# Allegro board RK3588S_Tablet_Demo_LP4XD200P232SD10H2_V11_20220218.brd (continued)
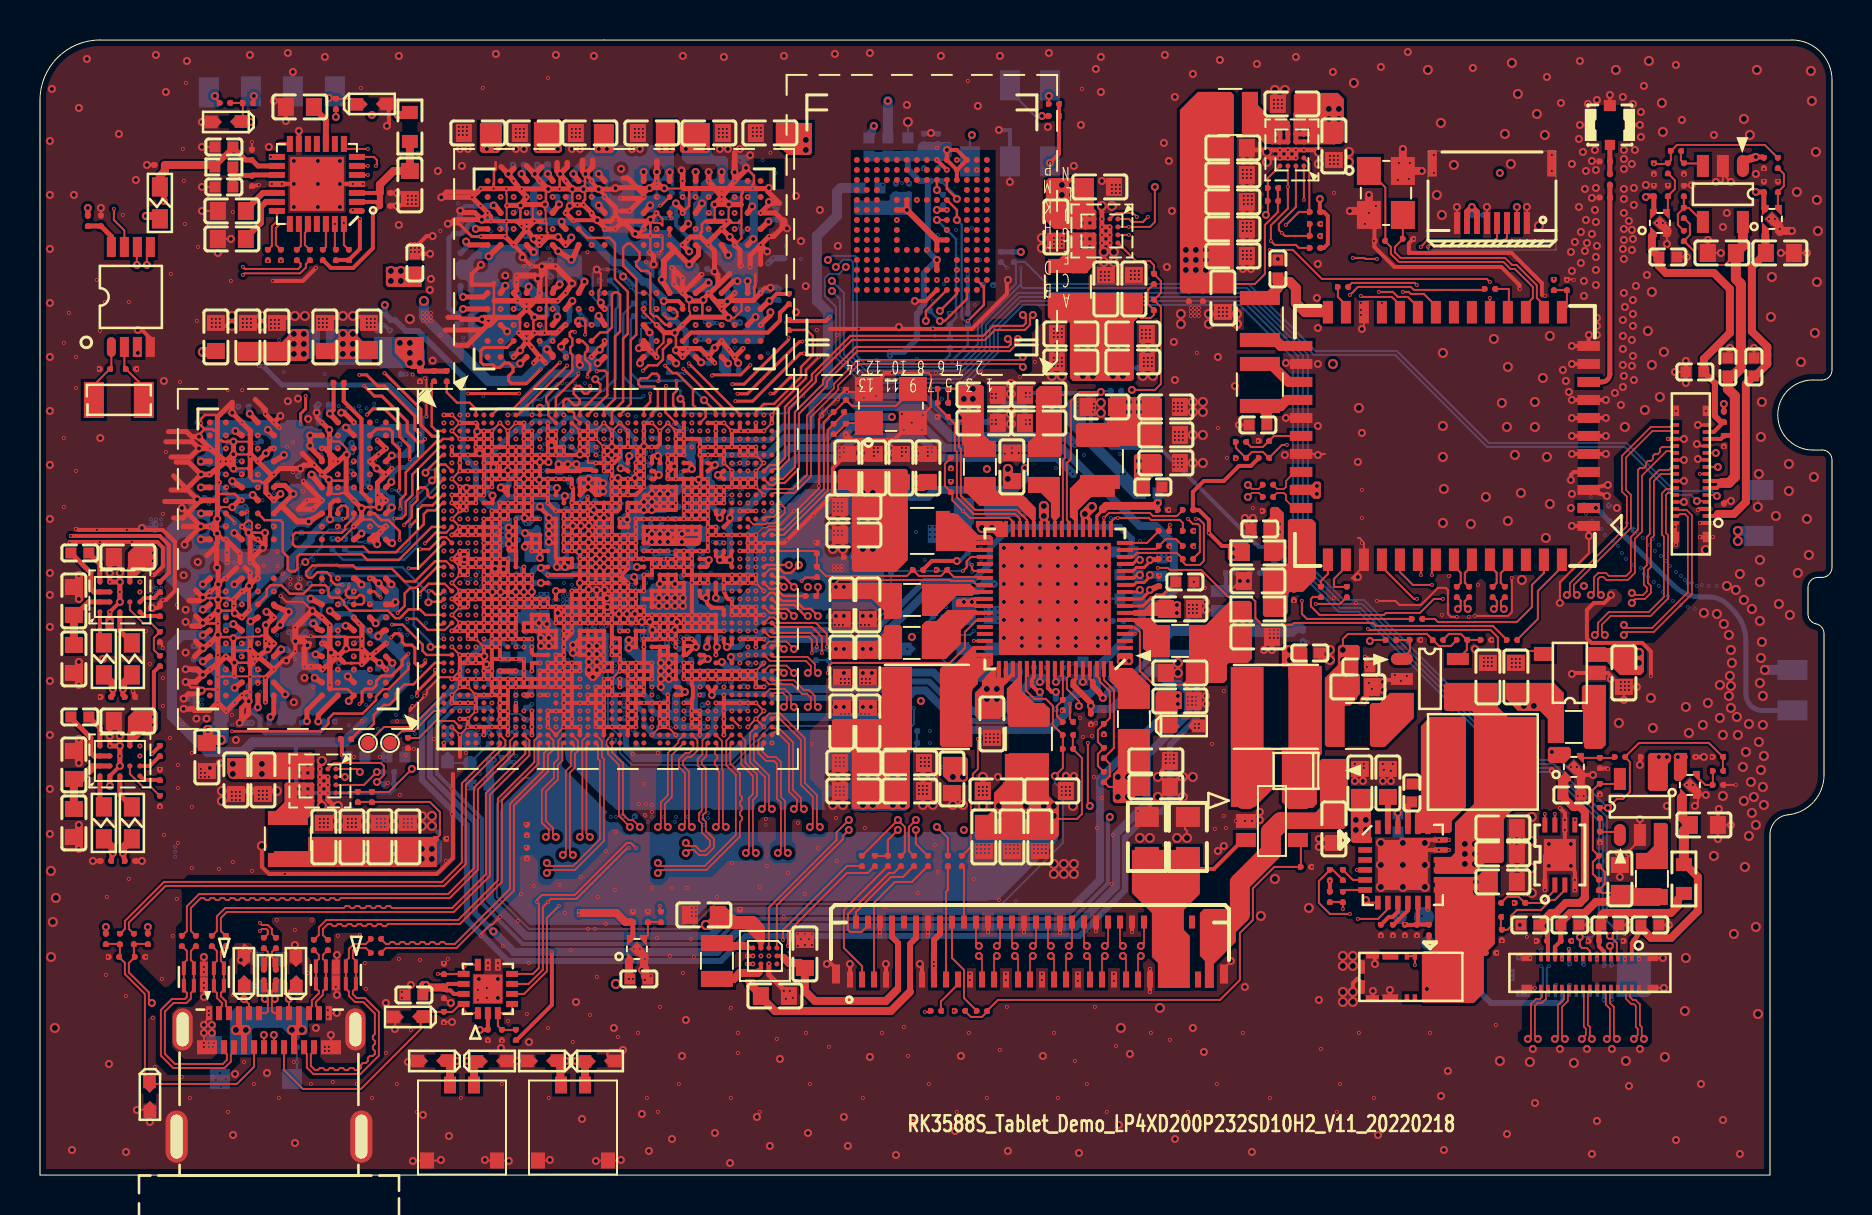
[diagram p0: board, top side]
## Routing (per net, layer and track width the routed paths; a pad name or vN(x,y) marks a point on that pad's centre or on a via; arc(x,y) is an arc through that point) (continued)
  S08 w0.3: v5(40.19,23.4) v5(39.79,23.4) ; v5(41.54,23.4) v5(41.14,23.4)
  S08 w0.4: v5(1.94,24.5) v5(1.94,21.8) v5(1.94,20.6) ; v5(2.64,15.7) 2.94,15.7 3.14,15.5 7.14,11.5 v5(12.74,11.5) 13.78,11.5 14.68,10.6 14.73,10.6 17.13,8.2 17.39,8.2 17.89,7.7 17.91,7.7 18.14,7.47 18.14,7.45 20.39,5.2 21.64,5.2 22.04,5.6 22.04,6.15 21,7.2 21,7.82 20.77,8.05 20.15,8.05 19.19,9 19.09,9 18.59,9.5 v5(18.54,9.5)
  GND09 w0.1: v9(31.34,30) 31.34,29.2 ; 31.34,29.2 30.64,29.2 30.59,29.15 30.29,29.15 v3(30.29,29.6) ; 31.34,29.2 31.99,29.2 32.24,29.45 32.24,29.75 ; 31.79,30.75 31.87,30.83 31.87,31.28 31.74,31.4 31.74,32.55 ; 31.79,30.75 v1(31.79,30.8) ; 31.79,30.75 v3(31.64,30.75) ; v3(27.68,33.59) 27.68,33.96 27.79,34.07 27.79,35.17 v8(28.01,35.39)
  GND09 w0.102: 29.03,35.8 29.1,35.8 29.38,35.52 29.49,35.52 ; v9(30.68,43.25) 30.68,43.25 30.07,43.25 30.07,43.25 v8(29.66,43.25) ; v8(27,35.14) 26.97,35.12 26.66,35.12 ; v9(25.09,42.36) 25.11,42.36 25.7,41.77 25.7,41.27 26.12,40.85 v8(26.36,40.85) ; 30.81,49.74 30.68,49.87 ; v5(26.57,46.88) 26.57,46.35 25.03,44.82 v5(24.89,44.82) ; 14.95,31.67 v8(14.95,31.26) ; 23.84,32.5 23.84,32.2 ; 14.95,32.27 v9(14.95,32.28)
  GND09 w0.15: 23.84,32.52 v3(23.84,31.75) 23.84,30.85
  GND09 w0.152: v5(20.39,47.56) 20.81,47.56 20.93,47.44 21.12,47.44 22.06,46.5 22.6,46.5 ; 10.63,22.41 10.63,21.99
  GND09 w0.2: v8(27.14,27.1) 27.14,26.72 27.04,26.62 27.04,25.2 v8(25.89,24.05) ; v9(51.59,24.95) v9(51.59,25.55) ; v5(76.59,36.95) 76.54,37 76.39,37 ; v3(23.69,30.85) 23.84,30.85 v3(23.84,30.4) ; v9(73.59,10.1) v9(73.59,9.85) ; v9(74.29,10.9) v9(73.94,10.9)
  BOTTOM w0.1: v3(23.84,30.4) 24.12,30.33 24.12,30.25 ; D2600.1 v9(8.99,5.1) ; D2600.1 9.04,4.75 v9(9.04,4.4) ; D2600.1 v9(9.29,4.8) ; D2600.1 8.84,4.8 v9(8.79,4.75) ; v5(44.84,48.25) 45.04,48.4 45.14,48.4 45.14,48.48 ; v9(26.39,25.75) 26.42,25.62 v9(26.39,25.5) 26.37,25.52 ; v1(18.39,17.6) 18.39,17.45 v4(19.09,17.45) ; 22.17,31.9 22.17,32.5 22.14,32.5 v3(22.14,32.25) ; v4(85.89,33.4) 85.92,33.43 85.92,35.03 v4(85.94,35.05) ; 32.37,23.68 v9(32.37,23.65) ; C2319.2 16.99,17.45 v4(17.69,17.45) ; v9(10.94,10.6) 10.94,10.69 10.89,10.74 v9(10.89,10.9) ; v3(53.54,25.05) v3(53.54,24.8) ; v4(53.04,38.1) 53.24,37.85 53.24,37.45 C1090.2 ; v3(26.22,34.78) 26.34,34.65 C1224.2 v3(26.49,34.9) ; C1090.2 53.84,37.7 v9(53.89,37.7) ; C1090.2 v9(53.74,37.3) ; C1090.2 53.44,37.6 v9(53.39,37.6) ; 79.69,32.25 79.69,32.25 v3(79.74,32.25) ; v5(53.29,28.65) 53.47,28.83 53.64,28.83 53.67,28.8 C2263.2 ; 35.64,38.08 37.31,38.08 v3(37.92,38.69) ; v3(33.49,35.85) 33.17,35.72 33.17,35.65 C1906.2 33.09,35.65 33.09,35.75 v3(32.99,35.9) ; 32.37,23.08 v9(32.39,23.05) ; v4(43.39,52.65) C4004.2 ; 59.82,30.1 59.89,30.1 59.89,30 v5(59.99,29.7) ; U2304.2 59.09,28.25 v5(58.29,28.25) 58.29,28.1 58.04,28.1 57.82,27.88 57.79,27.88 ; 44.89,52.08 C4001.2 44.89,52 44.29,52 v5(44.54,52.1) 44.52,52.08 44.19,52.08 ; 60.47,30.1 60.39,30.1 v5(60.39,29.7) ; v9(11.89,10.6) 12.03,10.74 12.09,10.74 12.09,10.8 v9(12.14,10.85) ; C2259.2 56.09,30.87 56.11,30.87 56.18,30.79 v9(56.19,30.8) ; v5(24.96,34.76) 24.96,34.35 24.97,34.35 ; v3(32.24,33.4) 31.92,33.4 ; v9(25.14,35.2) 25.37,35.2 ; 33.17,36.25 33.17,36.33 v3(33.39,36.4) ; 27.49,36.4 v3(27.89,36.4) ; v5(26.99,36.03) 27.24,36 27.34,36 27.34,35.93 v3(27.32,35.97) ; v3(32.24,40.09) 31.89,40.09 31.85,40.13 31.44,40.13 ; v5(48.49,49.65) J7010.1 ; v9(43.84,40.8) 43.69,40.65 41.94,40.65 v9(41.84,40.75) ; 31.57,49.1 31.57,49.17 v5(31.21,49.33)
  BOTTOM w0.102: 15.06,28.59 15.42,28.95 C3839.2 ; 15.06,28.59 C3842.2 15.03,28.59 ; 15.06,28.59 15.31,28.59 ; v3(30.17,38.95) 30.07,38.85 26.26,38.85 v3(25.85,38.44) v3(25.6,38.19) 25.41,38 24.77,38 24.63,38.14 24.63,38.6 24.79,38.77 v3(25.02,38.77) 25.84,39.58 v3(26.11,39.58) ; v5(30.2,36.43) 30.2,37.58 30.98,38.36 32.08,38.36 32.36,38.08 35.64,38.08 ; v5(28.04,43.63) 27.91,43.63 27.63,43.9 27.63,45.07 v5(27.84,45.28) v3(28.27,45.28) 28.8,45.28 v3(28.85,45.23) v5(29.16,44.92) 29.16,44.77 v3(29.54,44.39) v3(29.81,44.11) v3(30.17,44.11) 30.32,44.11 30.68,43.75 v9(30.68,43.25) v9(30.68,42.74) 30.55,42.61 30.38,42.61 30.05,42.28 v9(30.05,41.67) ; C3839.2 15.75,28.85 15.75,28.69 15.64,28.59 15.31,28.59 ; C3839.2 15.64,28.92 15.31,28.59 ; 26.99,43.17 27,43.14 ; 27,43.14 C3887.2 ; 27,43.14 27.36,42.78 C3871.2 ; 27,43.14 v3(27,42.88) ; v3(17.96,32.9) 18.12,33.06 18.12,33.82 v3(18.16,33.86) 17.77,34.25 v3(17.6,34.25) ; C3871.2 27.25,42.45 v3(27,42.45) v3(27,42.88) ; C3871.2 27.32,42.56 v3(27,42.88) ; v3(16.53,31.65) v3(16.27,31.65) 15.92,31.65 15.59,31.98 15.59,32.15 v9(15.46,32.28) v9(14.95,32.28) 14.44,32.28 14.09,31.92 v3(14.09,31.77) v3(14.09,31.41) v3(13.81,31.13) 13.43,30.75 13.37,30.75 13.27,30.65 v5(13.27,30.65) 13.17,30.65 v3(12.97,30.45) 12.92,30.4 v3(12.92,29.86) v5(12.92,29.43) 13.12,29.23 14.29,29.23 14.57,29.5 v9(14.57,29.63)
  BOTTOM w0.2: v9(16.84,42.25) 16.85,42.25 16.86,42.24 16.86,42.54 v9(16.84,42.55) ; v3(23.74,22.45) 23.77,22.43 23.77,22.15 v3(23.74,22.15) 23.59,22.15 ; C3834.2 17.09,33.7 17.02,33.43 v5(16.96,33.39) ; v3(29.08,33.57) 28.82,33.48 28.64,33.48 C1223.2 ; v3(22.54,23) 22.42,22.75 R1400.2 22.44,22.7 v3(22.49,22.45) ; 7.54,33.58 7.54,33.6 7.59,33.6 7.88,33.66 v5(7.86,33.79) ; v9(17.49,42.25) 17.49,42.24 17.47,42.24 17.21,42.5 v9(17.14,42.5) ; v5(47.94,52.25) 48.49,52.25 J7010.1 ; v5(13.02,35.32) 12.94,34.96 12.89,34.96 ; 26.32,32.65 26.32,32.62 v5(26.64,32.45) ; J7014.18 77.17,10.53 v9(77.19,10.5) ; 26.32,33.25 26.32,33.21 v3(26.62,33.15) ; v9(78.19,10.45) 78.22,10.48 J7014.15 78.22,11.13 v9(77.99,11.35) ; v5(12.64,55.15) J7004.1 ; v3(23.19,25.75) 23.19,25.85 C1714.2 v3(23.09,26.05) ; 23.69,27.18 23.74,27.18 v3(23.74,27.4) ; 28.97,31 28.94,31 v3(28.94,30.7) 28.94,30.4 28.97,30.4 ; v5(34.36,43.68) 34.36,44.16 34.37,44.16 ; 24.29,27.18 v3(24.29,27.15) ; 24.29,27.18 24.29,27.2 24.32,27.2 24.29,27.18 ; v5(33.73,45.18) 33.37,45.26 33.37,45.3 ; J7014.5 76.47,9.48 v9(76.49,9.5) ; 14.3,25.64 C3818.2 14.27,25.59 v3(14.25,25.39) ; 23.09,27.18 23.09,27.15 v3(22.84,27.15) ; 26.52,36.43 26.54,36.43 v5(26.99,36.03) ; J7014.3 75.77,9.48 v9(75.79,9.5) ; v9(25.09,42.36) 25.09,42.09 25.05,42.09 ; 23.89,32.88 23.89,32.85 23.94,32.85 v5(24.23,32.85) 24.23,33.15 24.18,33.2 24.17,33.2 24.12,33.25 24.12,33.5 v3(24.09,33.25) ; J7014.9 77.87,9.48 v9(77.89,9.45) ; v5(32.46,46.18) 32.37,46.27 32.37,46.93 31.8,47.49 31.8,47.94 ; v3(26.49,31.7) 26.51,31.68 26.51,31.67 26.32,31.48 26.32,31.45 26.34,31.45 v9(26.34,31.15) 26.34,30.85 26.32,30.85 ; 18.04,40.03 18.32,40.03 v9(18.29,40.05) ; C1215.2 27.09,33.9 v9(26.99,33.65) ; C1215.2 27.09,34 v9(26.99,34.2) ; C1215.2 27.12,33.95 ; 35.08,47.16 35.05,47.16 35.05,47.21 v3(35,47.46) ; 36.83,48.3 36.8,48.3 36.52,48.59 v5(36.44,48.65) ; v3(22.44,22.1) 22.44,22.13 22.42,22.15 ; 22.42,24.55 22.44,24.55 22.44,25.1 v3(22.39,24.9) 22.42,24.9 22.42,25.15 ; v3(33.25,42.66) 33.53,42.63 33.58,42.63 33.58,42.6 v9(33.84,42.6) ; v9(78.59,10.5) 78.57,10.48 J7014.14 ; J7014.22 75.77,11.23 v9(75.79,11.25) ; v9(76.49,10.55) 76.47,10.53 J7014.20 76.47,11.23 76.44,11.25 v9(76.44,11.3) ; 21.77,48.45 21.24,48.45 v5(21.01,48.22) ; v3(32.19,25.2) 32.49,25.2 32.49,25.18 ; v9(30.54,32.85) C1015.2 30.52,32.5 ; v5(26.49,48.45) 26.43,48.86 26.43,48.91 26.41,48.91 ; 34.95,40.22 C3862.2 34.92,40.27 v5(34.91,40.6) ; v4(68.14,16.6) 68.03,17.15 C2511.2 ; v5(8.14,27.6) 7.79,27.7 7.74,27.7 7.74,27.73 ; 8.46,35.01 8.46,35.03 v5(8.05,35.03) ; 30.89,36.83 30.89,36.85 30.84,36.85 v3(30.51,36.88) ; v3(10.74,36.59) 10.99,36.65 11.04,36.65 11.04,36.67 ; v5(53.29,27.75) 53.62,27.75 53.62,27.7 ; v5(33.84,26.4) 33.84,26.65 v9(34.04,26.85) 34.02,26.85 ; v5(24.01,41.23) 23.64,41.08 23.59,41.08 23.59,41.06 ; J7014.10 78.22,8.73 v9(78.19,8.75) ; J7014.11 78.57,8.78 v9(78.59,8.75) ; v3(32.04,35.15) 32.04,34.93 ; v3(23.54,28.55) 23.77,28.55 23.77,28.6 23.74,28.6 v9(23.74,28.35) ; 26.32,32.05 26.32,32.09 v3(26.59,32.09) ; 14.74,22.67 v9(14.74,22.65)
  BOTTOM w0.203: v5(16.84,35.33) 16.84,35.3 17.19,34.95 17.19,34.81 ; v3(10.36,33.04) 10.36,33.32 v3(10.25,33.42) 10.22,33.39 v5(9.62,33.39) 9.85,33.17 v3(9.98,33.17) 10.23,33.17 v3(10.36,33.04) ; v3(10.36,33.04) v3(10.36,32.53) 10.43,32.46 v5(10.43,32.12) ; C1223.2 28.75,33.46 28.76,33.46 v3(28.78,33.45) ; v3(32.09,37.3) 31.83,37.55 v9(31.7,37.55) ; v3(32.09,37.3) v3(32.33,37.3) ; v3(32.09,37.3) 32.08,37.29 v3(32.08,37.04) 31.95,37.04 v9(31.7,37.3) ; v5(29.94,41.34) 30.05,41.45 v9(30.05,41.67) ; v3(33.21,41.01) 33.35,41.01 33.7,41.36 v5(33.74,41.36) ; v5(34.91,40.6) 34.91,40.69 v3(34.74,40.85) ; v3(31.44,47.84) 31.72,47.84 31.83,47.94 31.8,47.97 v5(31.8,48.58) 31.57,48.35 v3(31.57,48.22) 31.57,47.96 v3(31.44,47.84) ; v3(31.44,47.84) v3(30.93,47.84) 30.86,47.77 v5(30.53,47.77) ; v5(16.86,31.54) 16.75,31.65 v3(16.53,31.65) ; v5(24.23,32.85) 24.43,32.85 24.59,32.69 v3(24.61,32.69) 24.47,32.55 24.29,32.55 v3(24.29,32.55) 24.2,32.64 24.2,32.83 v5(24.23,32.85)
  BOTTOM w0.25: v5(39.79,27.95) 39.47,27.93 39.44,27.93
  BOTTOM w0.254: C3819.2 16.91,25.55 v5(16.97,25.6) ; v5(15.33,36.01) 15.28,36.01 v3(15.02,35.75) ; v9(13.36,35.48) 13.17,35.48 v5(13.02,35.32) ; v5(34.41,42.86) 34.41,42.92 v3(34.16,43.17) ; v5(25.24,48.53) 25.24,48.47 C3888.2 ; v9(25.35,43.3) 25.35,43 25.24,42.89 ; v5(33.73,45.18) 33.88,45.02 v9(33.88,44.84) ; 10.13,35.24 9.75,35.24 v5(9.67,35.32) ; v5(7.86,33.79) 7.97,33.67 8.07,33.67 C3899.2 ; 33.65,48.07 33.65,48.45 v5(33.73,48.53) ; v5(9.67,26.84) 9.72,26.84 C3846.2
  BOTTOM w0.305: v5(34.73,50.14) 34.73,50.71 34.89,50.87 ; v5(35.3,50.36) 35.3,50.45 34.89,50.87 ; v3(23.31,47.3) v3(22.85,47.77) v5(22.09,47.77) ; v9(36.04,44.24) 36.39,44.24 v5(36.52,44.36) 36.85,44.36 v9(36.93,44.28) ; v5(24.74,50.05) 24.87,50.18 v3(24.87,50.51) ; v3(10.58,22.6) v5(9.98,22.6) ; v5(8.14,25.01) 7.91,25.24 v3(7.69,25.24) ; 37.23,45.84 v3(36.66,45.84) v9(36.41,45.58) ; v5(24.69,46.8) 24.51,46.98 v9(24.28,46.98) ; v5(35.51,50.99) 35.38,50.87 34.89,50.87 ; v9(35.03,48.78) 34.69,48.78 v5(34.44,48.53) ; v5(15.33,36.01) 15.48,36.15 v3(15.61,36.15) 15.58,36.18 v9(15.58,36.59) ; v5(5.09,32.35) 5.76,32.27 5.77,32.28 5.77,32.48 5.71,32.54 5.76,32.59 ; 27.45,41.26 v5(27.99,41.26) ; v5(23.42,50.05) 23.65,50.29 v3(23.65,50.51) ; v3(21.01,47.61) v5(21.01,48.22) ; v9(25.53,44.92) 25.09,45.36 v5(25.09,45.43) 25.21,45.55 25.53,45.55 v9(25.53,45.73) ; v5(7.18,23.82) 7.65,23.82 7.85,23.61 7.55,23.31 v5(7.18,23.31) ; v9(23.92,43.37) v9(23.92,43.75) v9(23.92,44.09) ; v9(11.22,25.88) 11.22,26.11 v5(11.4,26.28) ; v9(35,42.62) 34.71,42.62 34.46,42.86 v5(34.41,42.86) ; C3828.2 16.93,29.03 v5(16.93,29.58) ; v9(13.27,27.12) 12.84,26.69 v5(12.77,26.69) 12.64,26.81 12.64,27.12 v9(12.46,27.12) ; v5(30.68,45.53) 30.51,45.36 v9(30.51,45.13) ; v9(13.91,38.52) 13.83,38.44 v5(13.83,38.12) 13.96,37.99 v9(13.96,37.63) ; v5(10.43,23.69) 10.43,24.44 v3(10.9,24.91) 10.63,25.18 10.63,25.62 10.61,25.65 ; v5(10.43,32.12) 10.43,31.61 10.68,31.36 v5(11.14,31.36) ; v5(8.14,26.33) 8.01,26.46 v3(7.69,26.46)
  BOTTOM w0.5: v4(86.24,25.25) J7011.1
  vias: v1(1.44,43.1) v1(2.84,44.75) v1(2.94,40.3) v1(2.99,23.9) v1(4.84,40.3) v1(5.29,27.2) v1(5.49,25.55) v1(6.54,45.05) v1(7.14,22.55) v1(7.84,42.7) v1(7.89,46.4) v1(8.44,19.9) v1(9.34,31.13) v1(9.64,48.15) v1(9.6,23.01) v1(9.59,19.15) v1(9.59,18.95) v1(9.59,18.75) v1(9.73,30.63) v1(9.79,19.15) v1(9.79,18.95) v1(9.79,18.75) v1(9.99,19.15) v1(9.99,18.95) v1(9.99,18.75) v1(10.74,31.2) v1(10.94,19.2) v1(10.94,19) v1(10.94,18.8) v1(11.19,30.47) v1(11.14,19.2) v1(11.14,19) v1(11.14,18.8) v1(11.34,19.2) v1(11.34,19) v1(11.34,18.8) v1(11.88,31.17) v1(11.88,30.44) v1(12.14,30.06) v1(12.52,29.8) v1(12.52,29.55) v1(12.65,35.14) v1(13.15,34.18) v1(13.54,26.94) v1(13.99,17.8) v1(13.99,17.6) v1(13.99,17.4) v1(14.19,17.8) v1(14.19,17.6) v1(14.19,17.4) v1(14.39,19.9) v1(14.39,17.8) v1(14.39,17.6) v1(14.39,17.4) v1(15.39,17.8) v1(15.39,17.6) v1(15.39,17.4) v1(15.59,17.8) v1(15.59,17.6) v1(15.59,17.4) v1(15.69,20.9) v1(15.79,17.8) v1(15.79,17.6) v1(15.79,17.4) v1(16.04,54.35) v1(16.84,17.8) v1(16.84,17.6) v1(16.84,17.4) v1(16.99,20.9) v1(17.04,17.8) v1(17.04,17.6) v1(17.04,17.4) v1(17.24,17.8) v1(17.24,17.6) v1(17.24,17.4) v1(17.39,19.6) v1(17.99,19) v1(18.19,17.8) v1(18.19,17.6) v1(18.19,17.4) v1(18.29,21) v1(18.39,17.8) v1(18.39,17.4) v1(18.59,17.8) v1(18.59,17.6) v1(18.59,17.4) v1(18.69,21.3) v1(19.69,21.8) v1(20.01,47.2) v1(20.01,42) v1(20.29,15.7) v1(20.59,19.3) v1(21.29,21.1) v1(22.14,54.35) v1(22.39,6.73) v1(23.09,6.7) v1(25.39,54.85) v1(26.11,25.23) v1(26.62,31.95) v1(29.69,11.3) v1(29.89,7.1) v1(29.94,18.55) v1(29.99,11.3) v1(30.24,10.8) v1(30.54,9.95) v1(30.84,11.85) v1(32.14,10.1) v1(32.59,13.35) v1(32.59,13.15) v1(32.59,12.95) v1(32.54,11.8) v1(34.89,7.1) v1(34.89,6.1) v1(36.52,51.12) v1(36.84,6.8) v1(37.89,12.05) v1(37.89,11.45) v1(38.04,11.8) v1(38.24,12.05) v1(38.24,11.5) v1(38.29,7.1) v1(38.44,11.8) v1(38.59,12.05) v1(38.59,11.5) v1(39.44,6.4) v1(42.09,7.1) v1(42.84,47.75) v1(43.39,5.95) v1(43.84,48.75) v1(44.34,46.25) v1(45.34,47.25) v1(45.84,45.25) v1(45.84,50.75) v1(46.44,7.1) v1(46.84,50.25) v1(47.99,6.25) v1(50.69,46.85) v1(50.69,46.65) v1(50.69,46.45) v1(50.69,42.3) v1(50.69,42.1) v1(50.69,41.9) v1(50.69,40.85) v1(50.69,40.65) v1(50.69,40.45) v1(50.69,7.1) v1(50.89,46.85) v1(50.89,46.65) v1(50.89,46.45) v1(50.89,42.3) v1(50.89,42.1) v1(50.89,41.9) v1(50.89,40.85) v1(50.89,40.65) v1(50.89,40.45) v1(51.09,46.85) v1(51.09,46.65) v1(51.09,46.45) v1(51.09,42.3) v1(51.09,42.1) v1(51.09,41.9) v1(51.09,40.85) v1(51.09,40.65) v1(51.09,40.45) v1(51.74,5.7) v1(53.04,45.15) v1(53.04,44.95) v1(53.04,44.75) v1(53.24,45.15) v1(53.24,44.95) v1(53.24,44.75) v1(53.49,47.4) v1(53.49,47) v1(53.49,46.6) v1(53.44,45.15) v1(53.44,44.95) v1(53.44,44.75) v1(53.79,6.45) v1(54.54,45.2) v1(54.54,45) v1(54.54,44.8) v1(54.74,45.2) v1(54.74,45) v1(54.74,44.8) v1(54.94,45.2) v1(54.94,45) v1(54.94,44.8) v1(55.09,42.25) v1(55.09,42.05) v1(55.09,41.85) v1(55.19,40.85) v1(55.19,40.65) v1(55.19,40.45) v1(55.29,42.25) v1(55.29,42.05) v1(55.29,41.85) v1(55.39,40.85) v1(55.39,40.65) v1(55.39,40.45) v1(55.49,42.25) v1(55.49,42.05) v1(55.49,41.85) v1(55.54,7.1) v1(55.59,40.85) v1(55.59,40.65) v1(55.59,40.45) v1(55.99,30) v1(56.44,33.25) v1(56.49,31.4) v1(56.49,6.75) v1(57.54,43.35) v1(57.54,43.15) v1(57.54,42.95) v1(57.44,28.5) v1(57.44,28.3) v1(57.44,28.1) v1(57.64,28.5) v1(57.64,28.3) v1(57.64,28.1) v1(57.74,43.35) v1(57.74,43.15) v1(57.74,42.95) v1(57.84,28.5) v1(57.84,28.3) v1(57.84,28.1) v1(57.94,43.35) v1(57.94,43.15) v1(57.94,42.95) v1(58.94,43.35) v1(58.94,43.15) v1(58.94,42.95) v1(59.14,43.35) v1(59.14,43.15) v1(59.14,42.95) v1(59.34,43.35) v1(59.34,43.15) v1(59.34,42.95) v1(60.14,46.2) v1(60.14,46) v1(60.14,45.8) v1(60.14,7.1) v1(60.34,46.2) v1(60.34,46) v1(60.34,45.8) v1(60.54,46.2) v1(60.54,46) v1(60.54,45.8) v1(60.64,33.35) v1(60.89,36.7) v1(61.69,53.75) v1(61.69,53.55) v1(61.69,53.35) v1(61.89,53.75) v1(61.89,53.55) v1(61.89,53.35) v1(61.99,50.85) v1(62.09,53.75) v1(62.09,53.55) v1(62.09,53.35) v1(62.39,50.85) v1(62.79,50.85) v1(63.59,15.4) v1(64.04,47.55) v1(64.04,6.3) v1(64.49,50.95) v1(64.49,50.75) v1(64.49,50.55) v1(64.69,50.95) v1(64.69,50.75) v1(64.69,50.55) v1(64.89,50.95) v1(64.89,50.75) v1(64.89,50.55) v1(65.94,7.1) v1(66.04,43.6) v1(66.04,43.25) v1(66.04,43) v1(66.09,34.25) v1(66.09,32.85) v1(66.09,31.6) v1(66.24,47.55) v1(66.79,48.45) v1(67.94,50.6) v1(67.89,49.75) v1(68.44,49.8) v1(68.49,50.6) v1(69.49,7.1) v1(69.69,51) v1(69.69,50.1) v1(70.44,29.95) v1(71.44,27.9) v1(71.89,29.5) v1(72.59,26.75) v1(74.34,11.9) v1(75.59,51) v1(75.59,50.2) v1(75.59,20.2) v1(76.59,11.7) v1(76.79,10.8) v1(76.79,9.2) v1(77.39,11.7) v1(77.84,10.8) v1(77.99,19) v1(77.99,16.6) v1(78.89,9.2) v1(79.94,10.8) v1(79.94,9.2) v1(80.69,50) v1(80.69,49.5) v1(80.84,47.6) v1(81.14,47.6) v1(81.39,49.5) v1(81.79,38.2) v1(82.19,50) v1(82.34,19.5) v1(82.64,19.5) v1(83.29,38.2) v1(83.59,20.9) v1(84.19,36.4) v1(86.19,50.3) v1(86.19,49.7) v1(86.44,47.8) v1(86.74,47.8) v1(86.89,49.7) v2(3.04,24.4) v2(7.94,37.91) v2(8.33,39.2) v2(8.89,40) v2(8.91,25.54) v2(9.73,26.18) v2(9.74,40.5) v2(10.43,30.95) v2(10.36,21.85) v2(11.52,30.4) v2(11.76,31.45) v2(12.14,32.22) v2(12.05,29.36) v2(12.39,30.4) v2(12.65,34.82) v2(12.65,31.58) v2(13.48,32.09) v2(13.79,34.18) v2(13.94,32.76) v2(13.92,26.94) v2(14.04,35.36) v2(14.17,36.8) v2(14.18,28.78) v2(17.22,31.25) v2(20.39,30.36) v2(20.9,38.95) v2(22.19,23.1) v2(22.19,22.7) v2(22.19,21.7) v2(22.59,31.65) v2(22.65,32.47) v2(22.74,30.7) v2(23.19,24.55) v2(23.31,49.58) v2(23.61,27.05) v2(23.59,24.55) v2(24.01,27.05) v2(23.99,24.55) v2(24.08,36.28) v2(24.14,30.3) v2(24.44,15.5) v2(24.44,15.1) v2(24.46,36.13) v2(24.54,30.33) v2(24.58,48.47) v2(24.79,28.15) v2(24.94,32.25) v2(24.94,31.85) v2(24.99,23.3) v2(25.54,11.6) v2(25.65,33.6) v2(25.94,27) v2(25.94,26.6) v2(25.94,26.2) v2(25.94,25.8) v2(26.34,28.1) v2(26.34,9.85) v2(26.64,31.4) v2(26.59,28.4) v2(26.82,32.88) v2(26.74,21.7) v2(26.92,25.62) v2(26.94,31.7) v2(27.02,28.84) v2(26.99,28) v2(27.2,33.44) v2(27.15,30.51) v2(27.38,32.85) v2(27.38,31.15) v2(27.44,26.95) v2(27.62,28.65) v2(27.76,46.14) v2(27.79,30) v2(27.89,42.28) v2(28.01,31.72) v2(27.99,27.1) v2(28.14,47.2) v2(28.13,33.26) v2(28.16,32.34) v2(28.19,30) v2(28.42,33.69) v2(28.41,31.72) v2(28.44,27.1) v2(28.57,46.77) v2(28.62,30.79) v2(28.62,30.36) v2(28.65,32.34) v2(28.79,34.15) v2(28.82,31.72) v2(28.75,29.3) v2(28.78,28.86) v2(28.8,28.43) v2(28.98,31.07) v2(28.94,26.4) v2(29.05,30.31) v2(29.23,31.72) v2(29.18,29.36) v2(29.34,34.85) v2(29.34,33.75) v2(29.24,28.67) v2(29.44,36.46) v2(29.54,25.8) v2(29.54,25.4) v2(29.54,25) v2(29.56,32.29) v2(29.74,34) v2(29.79,29.07) v2(29.99,32.55) v2(30.09,32) v2(30.09,31.6) v2(30.17,36) v2(30.22,35.26) v2(30.14,25.4) v2(30.14,25) v2(30.14,24.6) v2(30.14,22.8) v2(30.4,34.88) v2(30.39,32.55) v2(30.44,30.65) v2(30.38,28.05) v2(30.58,35.47) v2(30.79,32.55) v2(30.74,26.15) v2(30.93,36.56) v2(30.93,27.92) v2(30.92,27.53) v2(31.16,44.26) v2(31.19,32.55) v2(31.14,26.15) v2(31.39,27.5) v2(31.54,26.15) v2(32.2,34.78) v2(32.2,27.92) v2(32.14,27.25) v2(32.39,32.55) v2(32.44,25.4) v2(32.44,25) v2(32.49,30.85) v2(32.59,44.41) v2(32.54,27.25) v2(32.79,32.55) v2(32.91,36.69) v2(32.84,25.8) v2(32.84,25.4) v2(32.84,25) v2(32.97,49.51) v2(33.09,35.57) v2(33.22,45.55) v2(33.59,24.5) v2(33.76,44.15) v2(33.79,36.35) v2(33.99,30.25) v2(34.19,36.35) v2(35,49.23) v2(35,46.98) v2(34.99,35.2) v2(34.99,32.85) v2(35.29,22) v2(36.94,21.75) v2(43.19,47.75) v2(43.94,49.15) v2(44.34,45.9) v2(44.84,51.25) v2(45.44,45.3) v2(45.84,51.25) v2(45.84,47.25) v2(53.99,12.6) v2(56.24,11.75) v2(56.39,9.95) v2(62.79,19.8) v2(70.99,20) v2(71.14,27.85) v2(71.34,25.9) v2(72.04,27.3) v2(72.94,27.8) v2(73.59,21.8) v2(74.04,28.95) v2(75.49,30.9) v2(75.59,24.25) v2(76.49,32.9) v2(76.69,8.65) v2(76.79,10.5) v2(76.94,31.9) v2(76.84,25.8) v2(76.99,34.45) v2(77.04,33.95) v2(77.09,32.7) v2(77.34,30.95) v2(77.54,34.3) v2(77.89,31.8) v2(77.84,10.5) v2(77.84,8.9) v2(78.34,31.5) v2(78.64,30.95) v2(78.69,29.95) v2(78.84,33.8) v2(78.94,30.45) v2(78.89,9.5) v2(79.29,33.4) v2(79.24,10.5) v2(79.49,32.95) v2(79.89,32.6) v2(79.94,29.75) v2(79.94,10.5) v2(79.94,9.5) v2(80.44,32.25) v2(80.34,29.45) v2(80.69,29.05) v2(80.94,28.7) v2(81.39,31.25) v2(81.64,30.8) v2(81.99,30.5) v2(82.34,30.15) v2(82.64,27.8) v3(5.55,32.78) v3(5.55,32.53) v3(5.55,32.28) v3(5.55,29.36) v3(5.55,29.1) v3(5.55,28.85) v3(5.81,32.78) v3(5.81,32.53) v3(5.81,32.28) v3(5.81,29.36) v3(5.81,29.1) v3(5.81,28.85) v3(6.06,32.78) v3(6.06,32.53) v3(6.06,32.28) v3(6.06,29.36) v3(6.06,29.1) v3(6.06,28.85) v3(7.59,23.77) v3(7.59,23.51) v3(7.59,23.26) v3(7.82,37.63) v3(7.84,23.77) v3(7.84,23.51) v3(7.84,23.26) v3(8.09,23.77) v3(8.09,23.51) v3(8.09,23.26) v3(8.49,35) v3(8.84,27.7) v3(9.09,35.07) v3(9.29,27.98) v3(9.62,22.5) v3(9.93,38.42) v3(9.85,35.71) v3(9.85,28.47) v3(9.98,25.42) v3(10.11,36.09) v3(10.49,36.59) v3(10.51,31.64) v3(10.51,31.39) v3(10.74,25.24) v3(10.76,31.64) v3(10.76,31.39) v3(10.87,36.21) v3(11,25.24) v3(11.12,38.25) v3(11.12,33.74) v3(11.12,24.66) v3(11.27,23.64) v3(11.7,34.1) v3(11.88,34.63) v3(12.39,29.36) v3(12.81,31.84) v3(12.94,34.95) v3(13.07,32.13) v3(13.66,30.75) v3(14.93,38.44) v3(15.31,38.31) v3(15.44,37.93) v3(15.44,22.49) v3(15.54,35.17) v3(15.57,35.58) v3(15.69,38.33) v3(15.95,38.44) v3(16.03,38.21) v3(16.33,38.34) v3(16.39,21.6) v3(16.71,38.57) v3(16.71,38.34) v3(16.84,36.66) v3(16.79,21.6) v3(16.89,22.3) v3(17.19,21.6) v3(17.59,21.8) v3(17.71,27.52) v3(17.79,23) v3(17.98,27.26) v3(18.11,27.91) v3(18.23,22.95) v3(18.19,22.2) v3(18.36,27.64) v3(18.36,27.26) v3(18.36,27.01) v3(18.59,23.9) v3(18.62,22.95) v3(20.19,22.2) v3(20.19,21.9) v3(20.49,22.2) v3(20.49,21.9) v3(20.69,30.31) v3(20.9,49.21) v3(20.9,48.58) v3(20.9,30.69) v3(21.19,22.5) v3(21.28,29.8) v3(21.54,29.8) v3(21.49,22.5) v3(21.79,29.8) v3(21.92,30.69) v3(21.89,30.15) v3(21.89,25.1) v3(21.94,22.5) v3(21.89,22.25) v3(21.94,21.45) v3(21.99,22) v3(22.04,46.93) v3(22.09,31.15) v3(22.04,30.44) v3(22.04,29.8) v3(22.04,29.42) v3(22.22,30.77) v3(22.17,30.18) v3(22.29,31.5) v3(22.34,32.25) v3(22.43,29.8) v3(22.43,29.42) v3(22.49,21.9) v3(22.64,32.85) v3(22.81,29.68) v3(22.81,29.42) v3(22.94,30.05) v3(23.24,33.3) v3(23.14,29.9) v3(23.19,29.55) v3(23.19,27.8) v3(23.31,29.3) v3(23.44,29.8) v3(23.39,28.05) v3(23.39,27.85) v3(23.39,22.05) v3(23.59,33.4) v3(23.59,33.2) v3(23.57,29.55) v3(23.54,28.8) v3(23.74,22.75) v3(23.82,48.22) v3(23.82,29.8) v3(23.82,29.47) v3(23.8,24.2) v3(23.8,23.95) v3(23.8,23.7) v3(23.79,23.36) v3(23.84,30.1) v3(24.09,29.6) v3(24.14,29.9) v3(24.34,29.9) v3(24.84,36.03) v3(24.84,28.89) v3(24.74,28.6) v3(25.04,29.05) v3(25.04,28.75) v3(25.09,36.28) v3(25.22,36.53) v3(25.14,36) v3(25.19,28.9) v3(25.42,36.05) v3(25.34,34.75) v3(25.34,29.05) v3(25.34,28.75) v3(25.49,29.55) v3(25.64,28.48) v3(25.67,28.73) v3(25.89,28.75) v3(25.84,28.45) v3(25.92,27.8) v3(26.02,27.63) v3(26.12,27.8) v3(26.19,29.6) v3(26.14,28.95) v3(26.14,28.75) v3(26.14,28.55) v3(26.14,28.35) v3(26.39,29.03) v3(26.34,28.8) v3(26.34,28.6) v3(26.49,33) v3(26.54,28.75) v3(26.52,27.8) v3(26.59,29.5) v3(26.59,29.1) v3(26.64,28) v3(26.77,33.33) v3(26.74,29.3) v3(26.77,28.66) v3(26.89,30.88) v3(26.89,27.7) v3(26.94,33.18) v3(26.94,29.2) v3(27.1,32.72) v3(27.1,32.09) v3(27.15,33.13) v3(27.17,31.43) v3(27.15,30.92) v3(27.14,29.15) v3(27.19,27.75) v3(27.29,29.6) v3(27.29,28.65) v3(27.25,28.18) v3(27.35,28.94) v3(27.42,28.41) v3(27.39,27.55) v3(27.35,27.31) v3(27.51,30.72) v3(27.51,30.51) v3(27.59,36.8) v3(27.64,29.5) v3(27.63,28.99) v3(27.59,27.7) v3(27.59,27.3) v3(27.73,31.86) v3(27.73,31.53) v3(27.74,27.45) v3(27.77,32.35) v3(27.84,29.55) v3(27.89,36.8) v3(27.89,36.2) v3(27.91,32.53) v3(27.91,32.18) v3(27.94,28.3) v3(27.99,35.9) v3(27.99,35.65) v3(28.01,28.99) v3(27.99,28.63) v3(28.01,28.03) v3(28.14,36.15) v3(28.04,29.5) v3(28.04,27.4) v3(28.18,31.97) v3(28.27,36.53) v3(28.27,35.77) v3(28.34,35.55) v3(28.24,29.55) v3(28.29,27.45) v3(28.39,36.79) v3(28.39,28.03) v3(28.44,29.45) v3(28.49,29.1) v3(28.44,27.75) v3(28.59,35.35) v3(28.65,35.01) v3(28.74,29.65) v3(28.65,28.15) v3(28.65,27.9) v3(28.69,26.9) v3(28.69,26.65) v3(28.69,26.05) v3(28.74,25.45) v3(28.69,25.2) v3(28.84,31.4) v3(28.89,26.75) v3(29,29.07) v3(28.94,26.05) v3(28.99,25.85) v3(28.99,25.65) v3(28.99,25.4) v3(28.99,25.15) v3(29.09,31.4) v3(29.14,34.1) v3(29.14,30.7) v3(29.2,28.97) v3(29.16,28.36) v3(29.19,25.75) v3(29.19,25.45) v3(29.24,25.15) v3(29.34,33.45) v3(29.34,28.35) v3(29.44,28.99) v3(29.54,35.09) v3(29.54,29.25) v3(29.54,28.35) v3(29.54,27.8) v3(29.64,34.55) v3(29.58,29.52) v3(29.61,27.62) v3(29.77,31.43) v3(29.75,29.4) v3(29.74,28.35) v3(29.79,27.34) v3(29.84,24.9) v3(29.92,35.14) v3(29.89,30.8) v3(29.97,35.44) v3(29.94,34.5) v3(30.05,35.67) v3(30.07,34.88) v3(30.09,27.35) v3(30.09,27.15) v3(30.09,26.95) v3(30.09,26.75) v3(30.17,34.63) v3(30.14,30.8) v3(30.32,35.67) v3(30.29,27.35) v3(30.29,27.15) v3(30.29,26.95) v3(30.29,26.75) v3(30.54,36.2) v3(30.49,35.9) v3(30.54,35.15) v3(30.49,26.95) v3(30.49,26.75) v3(30.64,34.7) v3(30.69,26.95) v3(30.69,26.75) v3(30.89,27.05) v3(31.04,30.55) v3(31.04,27.2) v3(31.04,26.9) v3(31.14,32.85) v3(31.18,30.71) v3(31.3,30.55) v3(31.24,26.8) v3(31.39,35.35) v3(31.39,35.15) v3(31.44,34.9) v3(31.39,32.85) v3(31.44,26.8) v3(31.34,26.6) v3(31.64,30.55) v3(31.59,26.95) v3(31.64,26.6) v3(31.69,32.85) v3(31.74,35.05) v3(31.74,34.85) v3(31.79,26.85) v3(31.94,30.55) v3(31.94,26.65) v3(31.89,26.35) v3(31.99,32.85) v3(32.04,26.9) v3(32.09,25.43) v3(32.14,24.95) v3(32.29,32.9) v3(32.34,30.55) v3(32.34,26.9) v3(32.49,33.75) v3(32.49,33.55) v3(32.49,33.35) v3(32.59,34.85) v3(32.59,32.9) v3(32.54,30.55) v3(32.69,33.75) v3(32.69,33.55) v3(32.69,33.35) v3(32.89,33.75) v3(32.89,33.55) v3(32.89,33.35) v3(32.89,32.85) v3(33.09,33.75) v3(33.09,33.55) v3(33.09,33.35) v3(33.19,34.35) v3(33.19,32.85) v3(33.14,25.2) v3(33.34,25.2) v3(33.44,23.45) v3(33.94,34.05) v3(33.94,33.75) v3(33.94,24.9) v3(33.99,24.65) v3(34.24,24.65) v3(34.34,34) v3(34.64,35.55) v3(34.54,33.75) v3(34.84,35.55) v3(34.94,33.95) v3(35,50.74) v3(35,47.71) v3(34.99,34.25) v3(35.74,35.55) v3(35.99,35.6) v3(36.14,50.74) v3(36.27,38.44) v3(36.65,47.08) v3(36.78,50.1) v3(37.28,46.44) v3(37.28,42.63) v3(38.17,38.95) v3(43.37,26.3) v3(45.29,28.4) v3(47.52,26.3) v3(49.64,23.35) v3(49.69,25.65) v3(49.69,25.4) v3(49.99,23.3) v3(50.34,25.65) v3(50.39,23.3) v3(50.79,23.3) v3(51.14,25.65) v3(51.14,25.35) v3(63.14,26.65) v3(63.39,26.65) v3(76.99,33.2) v3(77.19,33.55) v3(77.29,33.05) v3(77.54,33.9) v3(77.59,32.7) v3(77.94,34.05) v3(77.84,32.45) v3(78.09,32.3) v3(78.24,32) v3(78.44,33.5) v3(78.64,31.7) v3(78.89,31.45) v3(79.09,32.9) v3(79.09,31.1) v3(79.29,30.8) v3(79.34,32.6) v3(79.69,30.5) v3(79.89,32.05) v3(80.04,30.35) v3(80.14,31.85) v3(80.19,30.05) v3(80.39,29.9) v3(80.49,31.5) v3(80.64,31.8) v3(80.69,29.65) v3(80.74,31.2) v3(80.94,31.5) v3(80.94,29.45) v3(81.04,30.95) v3(81.14,29.15) v3(81.29,30.7) v3(81.39,28.95) v3(81.49,30.45) v3(81.64,28.7) v3(81.79,30.15) v3(82.04,29.95) v3(82.04,28.5) v3(82.24,29.75) v3(82.39,29.6) v3(82.39,28.4) v3(82.59,29.6) v3(82.74,28.3) v3(82.84,29.45) v3(83.09,29.5) v3(83.44,29.45) v3(83.84,29.45) v4(0.54,15.2) v4(0.64,12.65) v4(0.55,10.9) v4(0.79,13.85) v4(0.74,7.35) v4(9.09,19.2) v4(9.09,18.7) v4(9.59,42.95) v4(10.49,19.2) v4(11.09,42.95) v4(11.84,19.2) v4(13.24,42.95) v4(14.89,17.95) v4(14.89,17.45) v4(16.29,17.95) v4(16.29,17.45) v4(17.69,17.95) v4(18.49,42.8) v4(19.09,17.95) v4(19.59,17.95) v4(19.59,17.45) v4(39.64,32.7) v4(39.64,31.3) v4(39.64,18.5) v4(40.14,32.7) v4(40.14,31.3) v4(41.04,36.35) v4(41.04,35.85) v4(42.44,36.35) v4(42.44,35.85) v4(44.14,19.9) v4(44.14,18.5) v4(44.64,19.9) v4(44.64,18.5) v4(45.64,18.5) v4(46.14,18.5) v4(47.14,19.9) v4(48.54,39.55) v4(48.54,39.05) v4(48.54,38.05) v4(48.54,37.55) v4(50.09,46.85) v4(50.09,46.35) v4(50.59,41.35) v4(50.59,39.95) v4(50.69,15.55) v4(50.69,15.05) v4(51.09,41.35) v4(51.09,39.95) v4(51.19,15.55) v4(51.19,15.05) v4(51.64,18.45) v4(51.69,15.55) v4(51.69,15.05) v4(53.04,38.6) v4(53.19,45.65) v4(53.59,48.45) v4(53.69,45.65) v4(54.04,7.35) v4(54.99,16.85) v4(55.14,41.35) v4(55.14,39.95) v4(55.49,16.85) v4(55.64,41.35) v4(55.64,39.95) v4(55.99,8.35) v4(56.89,25.6) v4(56.89,25.1) v4(56.85,16.85) v4(57.04,43.05) v4(57.04,42.55) v4(58.14,38.65) v4(58.14,38.15) v4(58.14,37) v4(58.14,35.6) v4(58.44,43.05) v4(58.44,42.55) v4(59.84,43.05) v4(59.84,42.55) v4(61.04,12.95) v4(61.34,51.15) v4(61.74,54.25) v4(61.74,14.8) v4(62.24,54.25) v4(63.44,13.35) v4(63.94,50.55) v4(65.14,10.95) v4(65.14,10.45) v4(65.14,9.15) v4(65.14,8.65) v4(65.44,51.15) v4(65.44,50.65) v4(65.64,10.95) v4(65.64,8.65) v4(65.69,54.6) v4(65.94,38.35) v4(67.04,16.6) v4(67.04,15.5) v4(67.04,14.4) v4(68.14,14.4) v4(69.24,16.6) v4(69.24,15.5) v4(69.39,55.25) v4(69.84,49) v4(70.04,52.6) v4(70.09,48) v4(70.14,41.1) v4(70.14,37.45) v4(70.14,35.9) v4(70.19,34.3) v4(70.14,32.6) v4(70.69,50.5) v4(71.54,32.55) v4(72.29,33.9) v4(72.69,41.8) v4(72.99,5.7) v4(73.09,38.6) v4(73.24,52.05) v4(73.39,40.4) v4(73.34,37.4) v4(73.39,32.7) v4(73.54,50.55) v4(73.59,55.6) v4(73.59,16.7) v4(73.59,15.35) v4(73.74,36) v4(73.89,54.05) v4(74.04,34.1) v4(74.09,29.75) v4(74.09,16.7) v4(74.49,5.65) v4(74.59,17.9) v4(74.59,16.7) v4(74.59,15.35) v4(74.59,14.1) v4(74.74,38.65) v4(74.74,37.4) v4(74.84,53.05) v4(74.94,47.45) v4(75.14,39.85) v4(75.24,52) v4(75.29,31.85) v4(75.34,35.9) v4(75.49,41.95) v4(75.49,33.55) v4(76.69,5.6) v4(78.79,55.25) v4(78.94,22.6) v4(79.24,37.4) v4(79.29,5.7) v4(80.24,38.25) v4(80.44,55.7) v4(80.39,42.2) v4(80.54,23.85) v4(80.59,44.15) v4(80.59,40.5) v4(80.64,22.35) v4(80.99,38.9) v4(81.09,53.6) v4(81.14,52.15) v4(81.19,41.15) v4(81.24,5.9) v4(82.29,23.4) v4(82.29,10.85) v4(82.24,8.2) v4(82.44,22.1) v4(83.19,28.1) v4(83.14,22.5) v4(83.29,31.25) v4(83.39,23.6) v4(83.69,15.95) v4(83.84,28.05) v4(83.99,24.5) v4(83.99,22.85) v4(84.19,27.55) v4(84.14,22) v4(84.14,18.95) v4(84.34,29.45) v4(84.44,27) v4(84.44,23.95) v4(84.54,26.25) v4(84.49,24.95) v4(84.54,24.45) v4(84.54,23.35) v4(84.59,25.6) v4(84.69,12.05) v4(84.79,29.25) v4(84.84,22.9) v4(84.89,22) v4(84.99,30.05) v4(85.19,52.8) v4(85.19,28.75) v4(85.14,20.4) v4(85.19,18.7) v4(85.29,21.15) v4(85.24,15.4) v4(85.44,22.55) v4(85.44,16.95) v4(85.49,52) v4(85.54,19.65) v4(85.59,28.3) v4(85.59,18.1) v4(85.69,18.9) v4(85.79,17.5) v4(85.79,12.4) v4(85.84,55.25) v4(85.94,21.65) v4(85.9,8.05) v4(86.04,36.9) v4(85.99,30.75) v4(85.99,29.65) v4(85.99,27.7) v4(86.04,25.85) v4(85.99,24.6) v4(86.04,20.25) v4(86.09,38.65) v4(86.09,26.65) v4(86.14,23.95) v4(86.14,22.5) v4(86.19,20.95) v4(86.14,19.4) v4(86.19,18.5) v4(86.54,42.9) v4(86.59,44.9) v4(86.79,32.95) v4(86.94,28.55) v4(87.44,35.55) v4(87.44,34.2) v4(87.49,28) v4(87.84,49.15) v4(87.89,30.1) v4(88.04,40.65) v4(88.34,32.8) v4(88.44,31) v4(88.54,55.2) v4(88.59,53.7) v4(88.69,34.9) v4(88.79,51.15) v4(88.74,42.1) v4(88.84,48.75) v4(88.89,47.2) v4(88.84,44.65) v5(0.49,51.7) v5(0.49,49) v5(0.49,46.3) v5(0.49,43.6) v5(0.49,40.9) v5(0.49,38.2) v5(0.49,35.5) v5(0.49,32.8) v5(0.49,30.1) v5(0.49,29) v5(0.49,27.4) v5(0.49,24.7) v5(0.49,22) v5(0.49,19.3) v5(0.49,17.05) v5(0.59,54.3) v5(1.6,1.25) v5(1.69,49) v5(1.94,53.35) v5(2.34,55.8) v5(3.01,36.85) v5(3.14,25.8) v5(3.45,5.55) v5(3.94,52.05) v5(3.99,21.95) v5(4.3,1.15) v5(4.79,49.75) v5(5.79,56) v5(6.19,39.7) v5(6.29,54.15) v5(7.18,29.99) v5(7.34,55.7) v5(7.28,28.26) v5(7.28,27.65) v5(7.28,26.12) v5(7.82,22.82) v5(7.89,30.65) v5(8.33,22.82) v5(8.49,20.35) v5(8.59,7.5) v5(8.59,7.1) v5(8.89,46.1) v5(8.99,20.6) v5(9.65,2) v5(9.79,21.75) v5(9.75,5.05) v5(10.49,56) v5(11.35,5.1) v5(12.39,56.1) v5(12.39,38.69) v5(12.69,50.7) v5(12.69,48.4) v5(12.75,1.6) v5(12.9,38.82) v5(13.89,50.7) v5(13.89,48.4) v5(14.24,55.9) v5(14.99,50.7) v5(14.99,48.4) v5(17.29,8.6) v5(17.94,55.95) v5(17.94,47.5) v5(19.14,3) v5(19.49,44.25) v5(19.54,44.8) v5(19.89,50.2) v5(20.45,1.95) v5(20.99,51.3) v5(21.09,50.45) v5(21.39,51.3) v5(21.94,9.8) v5(22.68,35.39) v5(22.79,56.05) v5(22.89,9.8) v5(22.89,8.85) v5(23.05,6.35) v5(23.79,51.3) v5(24.19,51.3) v5(24.45,6.65) v5(25.79,56) v5(26.59,51.3) v5(26.8,8.65) v5(26.99,51.3) v5(27.1,2.8) v5(27.69,55.95) v5(28.69,7.35) v5(29.05,50.31) v5(29.59,51.3) 